# KiCad board poly_kb_molecule_8x5.kicad_pcb (continued)
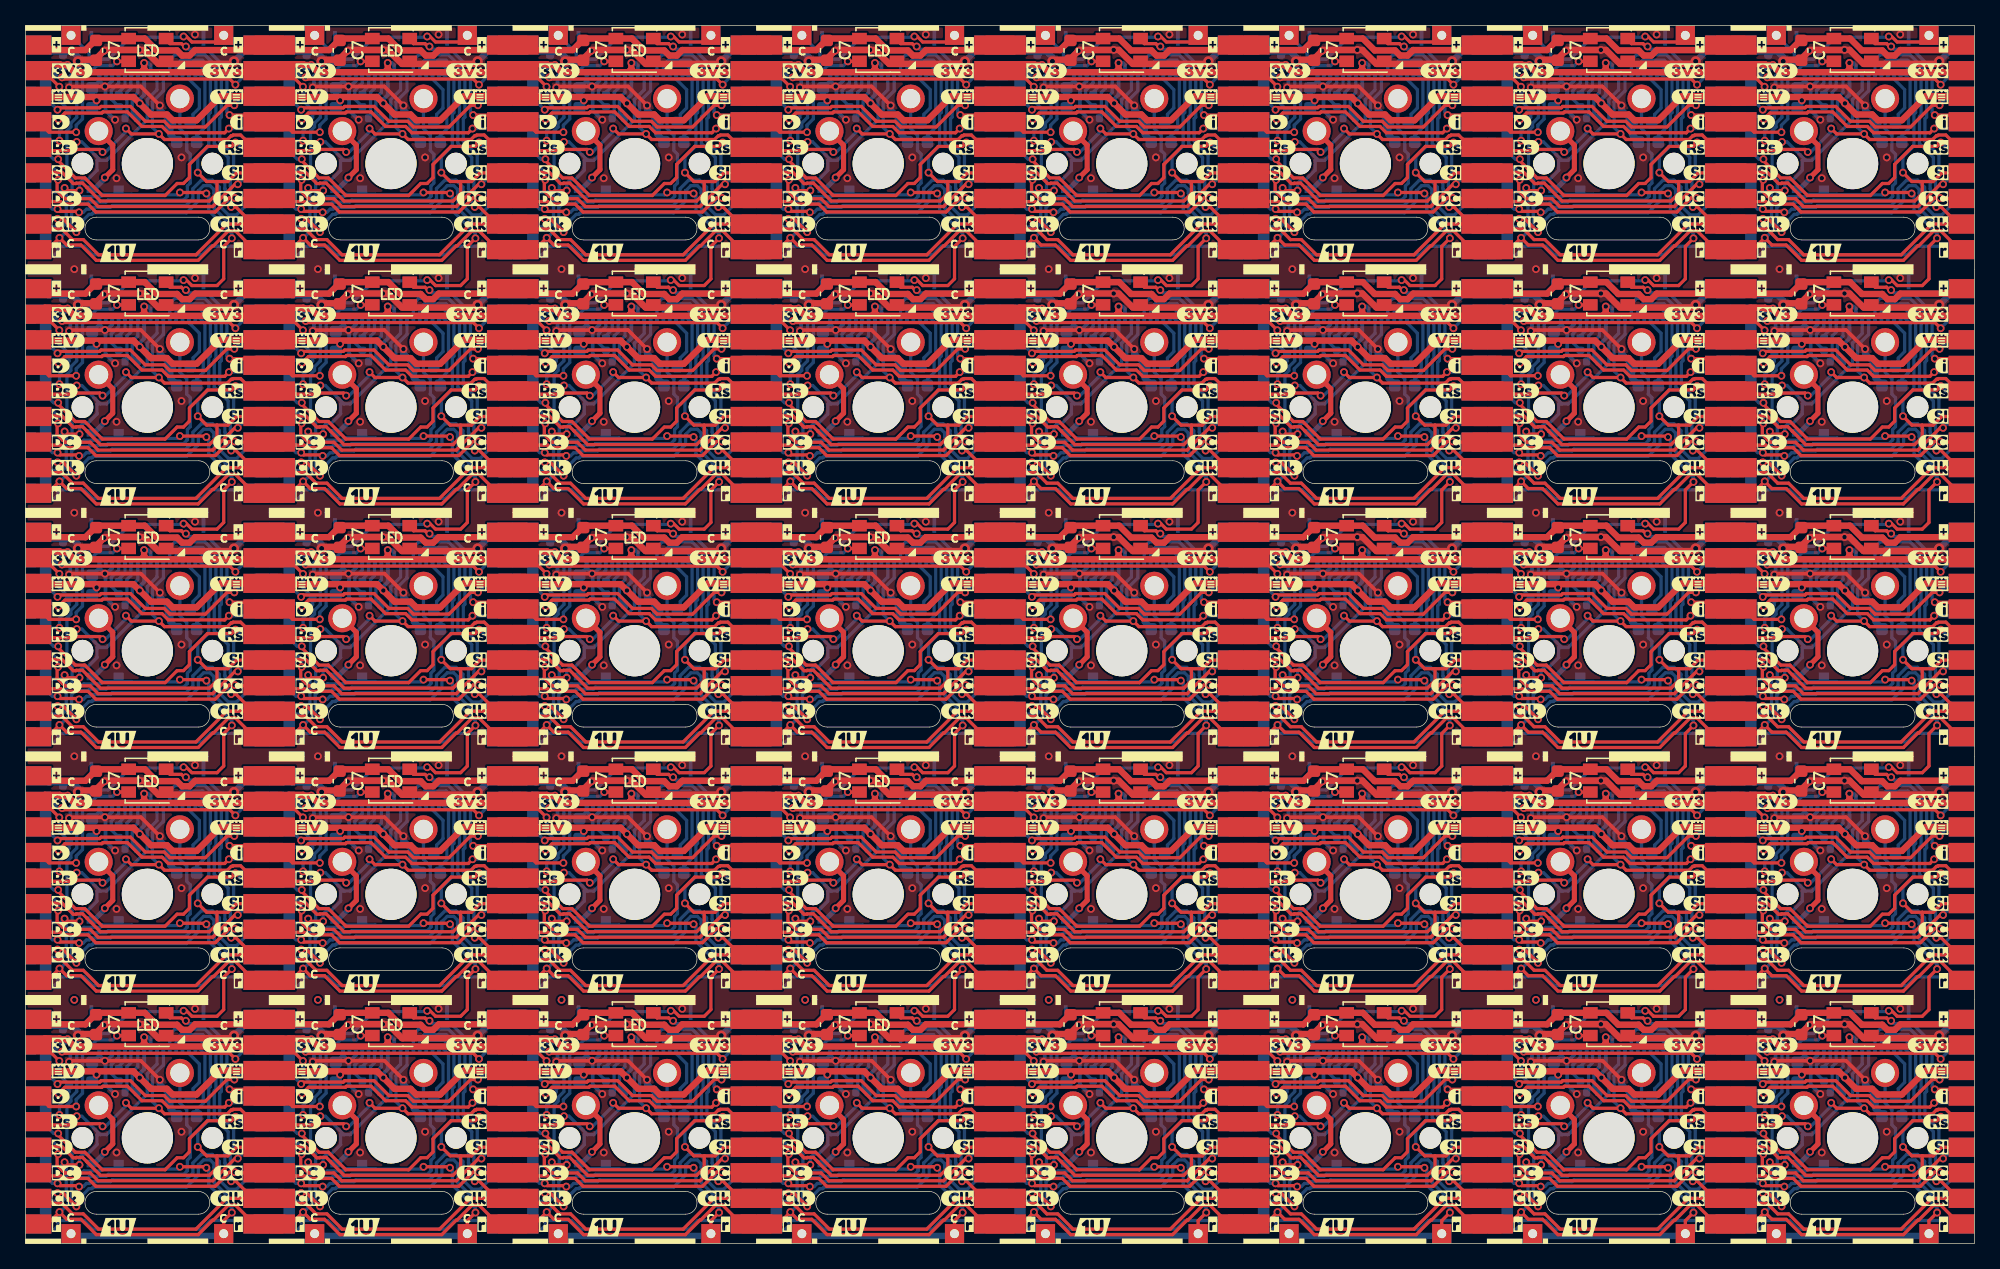
[diagram p0: board, top side]
## Placement (name value [footprint] x y rotation side) (continued)
kibuzzard-61EFBE21#24  G***  [kibuzzard-61EFBE21]  136.22 64.69 0 top
kibuzzard-61EFBE21#25  G***  [kibuzzard-61EFBE21]  79.07 7.54 0 top
kibuzzard-61EFBE21#26  G***  [kibuzzard-61EFBE21]  21.92 64.69 0 top
kibuzzard-61EFBE21#27  G***  [kibuzzard-61EFBE21]  2.87 7.54 0 top
kibuzzard-61EFBE21#28  G***  [kibuzzard-61EFBE21]  60.02 64.69 0 top
kibuzzard-61EFBE21#29  G***  [kibuzzard-61EFBE21]  136.22 7.54 0 top
kibuzzard-61EFBE21#30  G***  [kibuzzard-61EFBE21]  98.12 45.64 0 top
kibuzzard-61EFBE21#31  G***  [kibuzzard-61EFBE21]  2.87 26.59 0 top
kibuzzard-61EFBE21#32  G***  [kibuzzard-61EFBE21]  40.97 7.54 0 top
kibuzzard-61EFBE21#33  G***  [kibuzzard-61EFBE21]  2.87 83.74 0 top
kibuzzard-61EFBE21#34  G***  [kibuzzard-61EFBE21]  98.12 26.59 0 top
kibuzzard-61EFBE21#35  G***  [kibuzzard-61EFBE21]  2.87 64.69 0 top
kibuzzard-61EFBE21#36  G***  [kibuzzard-61EFBE21]  2.87 45.64 0 top
kibuzzard-61EFBE21#37  G***  [kibuzzard-61EFBE21]  136.22 45.64 0 top
kibuzzard-61EFBE21#38  G***  [kibuzzard-61EFBE21]  40.97 83.74 0 top
kibuzzard-61EFBE21#39  G***  [kibuzzard-61EFBE21]  60.02 7.54 0 top
kibuzzard-61EFBE21#40  G***  [kibuzzard-61EFBE21]  117.17 7.54 0 top
kibuzzard-61EFBE87  G***  [kibuzzard-61EFBE87]  80.04 89.69 0 top
kibuzzard-61EFBE87#2  G***  [kibuzzard-61EFBE87]  137.19 89.69 0 top
kibuzzard-61EFBE87#3  G***  [kibuzzard-61EFBE87]  80.04 51.59 0 top
kibuzzard-61EFBE87#4  G***  [kibuzzard-61EFBE87]  60.99 32.54 0 top
kibuzzard-61EFBE87#5  G***  [kibuzzard-61EFBE87]  41.94 70.64 0 top
kibuzzard-61EFBE87#6  G***  [kibuzzard-61EFBE87]  118.14 89.69 0 top
kibuzzard-61EFBE87#7  G***  [kibuzzard-61EFBE87]  99.09 70.64 0 top
kibuzzard-61EFBE87#8  G***  [kibuzzard-61EFBE87]  41.94 32.54 0 top
kibuzzard-61EFBE87#9  G***  [kibuzzard-61EFBE87]  60.99 13.49 0 top
kibuzzard-61EFBE87#10  G***  [kibuzzard-61EFBE87]  41.94 13.49 0 top
kibuzzard-61EFBE87#11  G***  [kibuzzard-61EFBE87]  118.14 51.59 0 top
kibuzzard-61EFBE87#12  G***  [kibuzzard-61EFBE87]  99.09 32.54 0 top
kibuzzard-61EFBE87#13  G***  [kibuzzard-61EFBE87]  99.09 13.49 0 top
kibuzzard-61EFBE87#14  G***  [kibuzzard-61EFBE87]  60.99 89.69 0 top
kibuzzard-61EFBE87#15  G***  [kibuzzard-61EFBE87]  118.14 70.64 0 top
kibuzzard-61EFBE87#16  G***  [kibuzzard-61EFBE87]  3.84 89.69 0 top
kibuzzard-61EFBE87#17  G***  [kibuzzard-61EFBE87]  60.99 70.64 0 top
kibuzzard-61EFBE87#18  G***  [kibuzzard-61EFBE87]  22.89 51.59 0 top
kibuzzard-61EFBE87#19  G***  [kibuzzard-61EFBE87]  99.09 89.69 0 top
kibuzzard-61EFBE87#20  G***  [kibuzzard-61EFBE87]  118.14 32.54 0 top
kibuzzard-61EFBE87#21  G***  [kibuzzard-61EFBE87]  118.14 13.49 0 top
kibuzzard-61EFBE87#22  G***  [kibuzzard-61EFBE87]  99.09 51.59 0 top
kibuzzard-61EFBE87#23  G***  [kibuzzard-61EFBE87]  137.19 13.49 0 top
kibuzzard-61EFBE87#24  G***  [kibuzzard-61EFBE87]  22.89 32.54 0 top
kibuzzard-61EFBE87#25  G***  [kibuzzard-61EFBE87]  22.89 13.49 0 top
kibuzzard-61EFBE87#26  G***  [kibuzzard-61EFBE87]  137.19 32.54 0 top
kibuzzard-61EFBE87#27  G***  [kibuzzard-61EFBE87]  60.99 51.59 0 top
kibuzzard-61EFBE87#28  G***  [kibuzzard-61EFBE87]  80.04 70.64 0 top
kibuzzard-61EFBE87#29  G***  [kibuzzard-61EFBE87]  41.94 89.69 0 top
kibuzzard-61EFBE87#30  G***  [kibuzzard-61EFBE87]  3.84 70.64 0 top
kibuzzard-61EFBE87#31  G***  [kibuzzard-61EFBE87]  41.94 51.59 0 top
kibuzzard-61EFBE87#32  G***  [kibuzzard-61EFBE87]  3.84 32.54 0 top
kibuzzard-61EFBE87#33  G***  [kibuzzard-61EFBE87]  80.04 32.54 0 top
kibuzzard-61EFBE87#34  G***  [kibuzzard-61EFBE87]  137.19 70.64 0 top
kibuzzard-61EFBE87#35  G***  [kibuzzard-61EFBE87]  22.89 89.69 0 top
kibuzzard-61EFBE87#36  G***  [kibuzzard-61EFBE87]  3.84 51.59 0 top
kibuzzard-61EFBE87#37  G***  [kibuzzard-61EFBE87]  3.84 13.49 0 top
kibuzzard-61EFBE87#38  G***  [kibuzzard-61EFBE87]  137.19 51.59 0 top
kibuzzard-61EFBE87#39  G***  [kibuzzard-61EFBE87]  22.89 70.64 0 top
kibuzzard-61EFBE87#40  G***  [kibuzzard-61EFBE87]  80.04 13.49 0 top
kibuzzard-61EFD7F9  G***  [kibuzzard-61EFD7F9]  35.23 7.54 0 top
kibuzzard-61EFD7F9#2  G***  [kibuzzard-61EFD7F9]  92.38 45.64 0 top
kibuzzard-61EFD7F9#3  G***  [kibuzzard-61EFD7F9]  111.43 26.59 0 top
kibuzzard-61EFD7F9#4  G***  [kibuzzard-61EFD7F9]  149.53 26.59 0 top
kibuzzard-61EFD7F9#5  G***  [kibuzzard-61EFD7F9]  92.38 26.59 0 top
kibuzzard-61EFD7F9#6  G***  [kibuzzard-61EFD7F9]  130.48 7.54 0 top
kibuzzard-61EFD7F9#7  G***  [kibuzzard-61EFD7F9]  54.28 26.59 0 top
kibuzzard-61EFD7F9#8  G***  [kibuzzard-61EFD7F9]  54.28 7.54 0 top
kibuzzard-61EFD7F9#9  G***  [kibuzzard-61EFD7F9]  111.43 45.64 0 top
kibuzzard-61EFD7F9#10  G***  [kibuzzard-61EFD7F9]  16.18 26.59 0 top
kibuzzard-61EFD7F9#11  G***  [kibuzzard-61EFD7F9]  92.38 7.54 0 top
kibuzzard-61EFD7F9#12  G***  [kibuzzard-61EFD7F9]  111.43 7.54 0 top
kibuzzard-61EFD7F9#13  G***  [kibuzzard-61EFD7F9]  16.18 64.69 0 top
kibuzzard-61EFD7F9#14  G***  [kibuzzard-61EFD7F9]  130.48 64.69 0 top
kibuzzard-61EFD7F9#15  G***  [kibuzzard-61EFD7F9]  35.23 45.64 0 top
kibuzzard-61EFD7F9#16  G***  [kibuzzard-61EFD7F9]  92.38 64.69 0 top
kibuzzard-61EFD7F9#17  G***  [kibuzzard-61EFD7F9]  54.28 83.74 0 top
kibuzzard-61EFD7F9#18  G***  [kibuzzard-61EFD7F9]  73.33 26.59 0 top
kibuzzard-61EFD7F9#19  G***  [kibuzzard-61EFD7F9]  54.28 64.69 0 top
kibuzzard-61EFD7F9#20  G***  [kibuzzard-61EFD7F9]  111.43 83.74 0 top
kibuzzard-61EFD7F9#21  G***  [kibuzzard-61EFD7F9]  149.53 7.54 0 top
kibuzzard-61EFD7F9#22  G***  [kibuzzard-61EFD7F9]  16.18 83.74 0 top
kibuzzard-61EFD7F9#23  G***  [kibuzzard-61EFD7F9]  73.33 7.54 0 top
kibuzzard-61EFD7F9#24  G***  [kibuzzard-61EFD7F9]  149.53 64.69 0 top
kibuzzard-61EFD7F9#25  G***  [kibuzzard-61EFD7F9]  73.33 45.64 0 top
kibuzzard-61EFD7F9#26  G***  [kibuzzard-61EFD7F9]  35.23 26.59 0 top
kibuzzard-61EFD7F9#27  G***  [kibuzzard-61EFD7F9]  35.23 83.74 0 top
kibuzzard-61EFD7F9#28  G***  [kibuzzard-61EFD7F9]  35.23 64.69 0 top
kibuzzard-61EFD7F9#29  G***  [kibuzzard-61EFD7F9]  130.48 45.64 0 top
kibuzzard-61EFD7F9#30  G***  [kibuzzard-61EFD7F9]  149.53 83.74 0 top
kibuzzard-61EFD7F9#31  G***  [kibuzzard-61EFD7F9]  73.33 83.74 0 top
kibuzzard-61EFD7F9#32  G***  [kibuzzard-61EFD7F9]  16.18 45.64 0 top
kibuzzard-61EFD7F9#33  G***  [kibuzzard-61EFD7F9]  16.18 7.54 0 top
kibuzzard-61EFD7F9#34  G***  [kibuzzard-61EFD7F9]  73.33 64.69 0 top
kibuzzard-61EFD7F9#35  G***  [kibuzzard-61EFD7F9]  130.48 83.74 0 top
kibuzzard-61EFD7F9#36  G***  [kibuzzard-61EFD7F9]  92.38 83.74 0 top
kibuzzard-61EFD7F9#37  G***  [kibuzzard-61EFD7F9]  111.43 64.69 0 top
kibuzzard-61EFD7F9#38  G***  [kibuzzard-61EFD7F9]  149.53 45.64 0 top
kibuzzard-61EFD7F9#39  G***  [kibuzzard-61EFD7F9]  54.28 45.64 0 top
kibuzzard-61EFD7F9#40  G***  [kibuzzard-61EFD7F9]  130.48 26.59 0 top
kibuzzard-61EFD863  G***  [kibuzzard-61EFD863]  110.67 91.72 0 top
kibuzzard-61EFD863#2  G***  [kibuzzard-61EFD863]  91.62 34.57 0 top
kibuzzard-61EFD863#3  G***  [kibuzzard-61EFD863]  91.62 53.62 0 top
kibuzzard-61EFD863#4  G***  [kibuzzard-61EFD863]  110.67 72.67 0 top
kibuzzard-61EFD863#5  G***  [kibuzzard-61EFD863]  72.57 91.72 0 top
kibuzzard-61EFD863#6  G***  [kibuzzard-61EFD863]  91.62 91.72 0 top
kibuzzard-61EFD863#7  G***  [kibuzzard-61EFD863]  91.62 15.52 0 top
kibuzzard-61EFD863#8  G***  [kibuzzard-61EFD863]  148.77 72.67 0 top
kibuzzard-61EFD863#9  G***  [kibuzzard-61EFD863]  34.47 53.62 0 top
kibuzzard-61EFD863#10  G***  [kibuzzard-61EFD863]  53.52 91.72 0 top
kibuzzard-61EFD863#11  G***  [kibuzzard-61EFD863]  129.72 53.62 0 top
kibuzzard-61EFD863#12  G***  [kibuzzard-61EFD863]  34.47 91.72 0 top
kibuzzard-61EFD863#13  G***  [kibuzzard-61EFD863]  110.67 15.52 0 top
kibuzzard-61EFD863#14  G***  [kibuzzard-61EFD863]  148.77 15.52 0 top
kibuzzard-61EFD863#15  G***  [kibuzzard-61EFD863]  53.52 15.52 0 top
kibuzzard-61EFD863#16  G***  [kibuzzard-61EFD863]  15.42 34.57 0 top
kibuzzard-61EFD863#17  G***  [kibuzzard-61EFD863]  129.72 15.52 0 top
kibuzzard-61EFD863#18  G***  [kibuzzard-61EFD863]  15.42 53.62 0 top
kibuzzard-61EFD863#19  G***  [kibuzzard-61EFD863]  15.42 15.52 0 top
kibuzzard-61EFD863#20  G***  [kibuzzard-61EFD863]  148.77 91.72 0 top
kibuzzard-61EFD863#21  G***  [kibuzzard-61EFD863]  129.72 34.57 0 top
kibuzzard-61EFD863#22  G***  [kibuzzard-61EFD863]  34.47 15.52 0 top
kibuzzard-61EFD863#23  G***  [kibuzzard-61EFD863]  34.47 72.67 0 top
kibuzzard-61EFD863#24  G***  [kibuzzard-61EFD863]  129.72 91.72 0 top
kibuzzard-61EFD863#25  G***  [kibuzzard-61EFD863]  34.47 34.57 0 top
kibuzzard-61EFD863#26  G***  [kibuzzard-61EFD863]  15.42 91.72 0 top
kibuzzard-61EFD863#27  G***  [kibuzzard-61EFD863]  110.67 53.62 0 top
kibuzzard-61EFD863#28  G***  [kibuzzard-61EFD863]  148.77 34.57 0 top
kibuzzard-61EFD863#29  G***  [kibuzzard-61EFD863]  53.52 72.67 0 top
kibuzzard-61EFD863#30  G***  [kibuzzard-61EFD863]  15.42 72.67 0 top
kibuzzard-61EFD863#31  G***  [kibuzzard-61EFD863]  72.57 15.52 0 top
kibuzzard-61EFD863#32  G***  [kibuzzard-61EFD863]  72.57 34.57 0 top
kibuzzard-61EFD863#33  G***  [kibuzzard-61EFD863]  53.52 34.57 0 top
kibuzzard-61EFD863#34  G***  [kibuzzard-61EFD863]  148.77 53.62 0 top
kibuzzard-61EFD863#35  G***  [kibuzzard-61EFD863]  72.57 72.67 0 top
kibuzzard-61EFD863#36  G***  [kibuzzard-61EFD863]  129.72 72.67 0 top
kibuzzard-61EFD863#37  G***  [kibuzzard-61EFD863]  53.52 53.62 0 top
kibuzzard-61EFD863#38  G***  [kibuzzard-61EFD863]  110.67 34.57 0 top
kibuzzard-61EFD863#39  G***  [kibuzzard-61EFD863]  72.57 53.62 0 top
kibuzzard-61EFD863#40  G***  [kibuzzard-61EFD863]  91.62 72.67 0 top
kibuzzard-61EFD879  G***  [kibuzzard-61EFD879]  79.84 53.61 0 top
kibuzzard-61EFD879#2  G***  [kibuzzard-61EFD879]  136.99 72.66 0 top
kibuzzard-61EFD879#3  G***  [kibuzzard-61EFD879]  98.89 72.66 0 top
kibuzzard-61EFD879#4  G***  [kibuzzard-61EFD879]  3.64 15.51 0 top
kibuzzard-61EFD879#5  G***  [kibuzzard-61EFD879]  3.64 34.56 0 top
kibuzzard-61EFD879#6  G***  [kibuzzard-61EFD879]  22.69 53.61 0 top
kibuzzard-61EFD879#7  G***  [kibuzzard-61EFD879]  3.64 53.61 0 top
kibuzzard-61EFD879#8  G***  [kibuzzard-61EFD879]  117.94 34.56 0 top
kibuzzard-61EFD879#9  G***  [kibuzzard-61EFD879]  60.79 72.66 0 top
kibuzzard-61EFD879#10  G***  [kibuzzard-61EFD879]  79.84 72.66 0 top
kibuzzard-61EFD879#11  G***  [kibuzzard-61EFD879]  3.64 72.66 0 top
kibuzzard-61EFD879#12  G***  [kibuzzard-61EFD879]  79.84 15.51 0 top
kibuzzard-61EFD879#13  G***  [kibuzzard-61EFD879]  136.99 15.51 0 top
kibuzzard-61EFD879#14  G***  [kibuzzard-61EFD879]  41.74 15.51 0 top
kibuzzard-61EFD879#15  G***  [kibuzzard-61EFD879]  117.94 72.66 0 top
kibuzzard-61EFD879#16  G***  [kibuzzard-61EFD879]  41.74 72.66 0 top
kibuzzard-61EFD879#17  G***  [kibuzzard-61EFD879]  22.69 72.66 0 top
kibuzzard-61EFD879#18  G***  [kibuzzard-61EFD879]  22.69 34.56 0 top
kibuzzard-61EFD879#19  G***  [kibuzzard-61EFD879]  79.84 34.56 0 top
kibuzzard-61EFD879#20  G***  [kibuzzard-61EFD879]  117.94 53.61 0 top
kibuzzard-61EFD879#21  G***  [kibuzzard-61EFD879]  60.79 15.51 0 top
kibuzzard-61EFD879#22  G***  [kibuzzard-61EFD879]  79.84 91.71 0 top
kibuzzard-61EFD879#23  G***  [kibuzzard-61EFD879]  117.94 91.71 0 top
kibuzzard-61EFD879#24  G***  [kibuzzard-61EFD879]  60.79 91.71 0 top
kibuzzard-61EFD879#25  G***  [kibuzzard-61EFD879]  98.89 53.61 0 top
kibuzzard-61EFD879#26  G***  [kibuzzard-61EFD879]  22.69 91.71 0 top
kibuzzard-61EFD879#27  G***  [kibuzzard-61EFD879]  60.79 34.56 0 top
kibuzzard-61EFD879#28  G***  [kibuzzard-61EFD879]  136.99 34.56 0 top
kibuzzard-61EFD879#29  G***  [kibuzzard-61EFD879]  98.89 34.56 0 top
kibuzzard-61EFD879#30  G***  [kibuzzard-61EFD879]  41.74 34.56 0 top
kibuzzard-61EFD879#31  G***  [kibuzzard-61EFD879]  117.94 15.51 0 top
kibuzzard-61EFD879#32  G***  [kibuzzard-61EFD879]  60.79 53.61 0 top
kibuzzard-61EFD879#33  G***  [kibuzzard-61EFD879]  41.74 91.71 0 top
kibuzzard-61EFD879#34  G***  [kibuzzard-61EFD879]  3.64 91.71 0 top
kibuzzard-61EFD879#35  G***  [kibuzzard-61EFD879]  136.99 53.61 0 top
kibuzzard-61EFD879#36  G***  [kibuzzard-61EFD879]  41.74 53.61 0 top
kibuzzard-61EFD879#37  G***  [kibuzzard-61EFD879]  22.69 15.51 0 top
kibuzzard-61EFD879#38  G***  [kibuzzard-61EFD879]  98.89 91.71 0 top
kibuzzard-61EFD879#39  G***  [kibuzzard-61EFD879]  136.99 91.71 0 top
kibuzzard-61EFD879#40  G***  [kibuzzard-61EFD879]  98.89 15.51 0 top
kibuzzard-61EFD908  G***  [kibuzzard-61EFD908]  2.41 77.7 0 top
kibuzzard-61EFD908#2  G***  [kibuzzard-61EFD908]  35.69 20.55 0 top
kibuzzard-61EFD908#3  G***  [kibuzzard-61EFD908]  111.89 58.65 0 top
kibuzzard-61EFD908#4  G***  [kibuzzard-61EFD908]  135.76 20.55 0 top
kibuzzard-61EFD908#5  G***  [kibuzzard-61EFD908]  73.79 58.65 0 top
kibuzzard-61EFD908#6  G***  [kibuzzard-61EFD908]  97.66 1.5 0 top
kibuzzard-61EFD908#7  G***  [kibuzzard-61EFD908]  130.94 1.5 0 top
kibuzzard-61EFD908#8  G***  [kibuzzard-61EFD908]  35.69 77.7 0 top
kibuzzard-61EFD908#9  G***  [kibuzzard-61EFD908]  92.84 39.6 0 top
kibuzzard-61EFD908#10  G***  [kibuzzard-61EFD908]  135.76 58.65 0 top
kibuzzard-61EFD908#11  G***  [kibuzzard-61EFD908]  116.71 1.5 0 top
kibuzzard-61EFD908#12  G***  [kibuzzard-61EFD908]  35.69 39.6 0 top
kibuzzard-61EFD908#13  G***  [kibuzzard-61EFD908]  130.94 77.7 0 top
kibuzzard-61EFD908#14  G***  [kibuzzard-61EFD908]  54.74 20.55 0 top
kibuzzard-61EFD908#15  G***  [kibuzzard-61EFD908]  116.71 58.65 0 top
kibuzzard-61EFD908#16  G***  [kibuzzard-61EFD908]  149.99 77.7 0 top
kibuzzard-61EFD908#17  G***  [kibuzzard-61EFD908]  40.51 77.7 0 top
kibuzzard-61EFD908#18  G***  [kibuzzard-61EFD908]  116.71 20.55 0 top
kibuzzard-61EFD908#19  G***  [kibuzzard-61EFD908]  111.89 39.6 0 top
kibuzzard-61EFD908#20  G***  [kibuzzard-61EFD908]  54.74 39.6 0 top
kibuzzard-61EFD908#21  G***  [kibuzzard-61EFD908]  149.99 39.6 0 top
kibuzzard-61EFD908#22  G***  [kibuzzard-61EFD908]  73.79 77.7 0 top
kibuzzard-61EFD908#23  G***  [kibuzzard-61EFD908]  130.94 58.65 0 top
kibuzzard-61EFD908#24  G***  [kibuzzard-61EFD908]  35.69 1.5 0 top
kibuzzard-61EFD908#25  G***  [kibuzzard-61EFD908]  40.51 39.6 0 top
kibuzzard-61EFD908#26  G***  [kibuzzard-61EFD908]  59.56 58.65 0 top
kibuzzard-61EFD908#27  G***  [kibuzzard-61EFD908]  40.51 20.55 0 top
kibuzzard-61EFD908#28  G***  [kibuzzard-61EFD908]  78.61 39.6 0 top
kibuzzard-61EFD908#29  G***  [kibuzzard-61EFD908]  73.79 20.55 0 top
kibuzzard-61EFD908#30  G***  [kibuzzard-61EFD908]  135.76 77.7 0 top
kibuzzard-61EFD908#31  G***  [kibuzzard-61EFD908]  73.79 1.5 0 top
kibuzzard-61EFD908#32  G***  [kibuzzard-61EFD908]  111.89 77.7 0 top
kibuzzard-61EFD908#33  G***  [kibuzzard-61EFD908]  21.46 1.5 0 top
kibuzzard-61EFD908#34  G***  [kibuzzard-61EFD908]  16.64 58.65 0 top
kibuzzard-61EFD908#35  G***  [kibuzzard-61EFD908]  16.64 1.5 0 top
kibuzzard-61EFD908#36  G***  [kibuzzard-61EFD908]  149.99 1.5 0 top
kibuzzard-61EFD908#37  G***  [kibuzzard-61EFD908]  116.71 77.7 0 top
kibuzzard-61EFD908#38  G***  [kibuzzard-61EFD908]  78.61 58.65 0 top
kibuzzard-61EFD908#39  G***  [kibuzzard-61EFD908]  149.99 58.65 0 top
kibuzzard-61EFD908#40  G***  [kibuzzard-61EFD908]  116.71 39.6 0 top
kibuzzard-61EFD908#41  G***  [kibuzzard-61EFD908]  40.51 58.65 0 top
kibuzzard-61EFD908#42  G***  [kibuzzard-61EFD908]  78.61 1.5 0 top
kibuzzard-61EFD908#43  G***  [kibuzzard-61EFD908]  92.84 58.65 0 top
kibuzzard-61EFD908#44  G***  [kibuzzard-61EFD908]  78.61 77.7 0 top
kibuzzard-61EFD908#45  G***  [kibuzzard-61EFD908]  2.41 20.55 0 top
kibuzzard-61EFD908#46  G***  [kibuzzard-61EFD908]  2.41 39.6 0 top
kibuzzard-61EFD908#47  G***  [kibuzzard-61EFD908]  92.84 77.7 0 top
kibuzzard-61EFD908#48  G***  [kibuzzard-61EFD908]  78.61 20.55 0 top
kibuzzard-61EFD908#49  G***  [kibuzzard-61EFD908]  149.99 20.55 0 top
kibuzzard-61EFD908#50  G***  [kibuzzard-61EFD908]  59.56 1.5 0 top
kibuzzard-61EFD908#51  G***  [kibuzzard-61EFD908]  111.89 20.55 0 top
kibuzzard-61EFD908#52  G***  [kibuzzard-61EFD908]  54.74 58.65 0 top
kibuzzard-61EFD908#53  G***  [kibuzzard-61EFD908]  21.46 39.6 0 top
kibuzzard-61EFD908#54  G***  [kibuzzard-61EFD908]  135.76 1.5 0 top
kibuzzard-61EFD908#55  G***  [kibuzzard-61EFD908]  130.94 20.55 0 top
kibuzzard-61EFD908#56  G***  [kibuzzard-61EFD908]  21.46 58.65 0 top
kibuzzard-61EFD908#57  G***  [kibuzzard-61EFD908]  16.64 20.55 0 top
kibuzzard-61EFD908#58  G***  [kibuzzard-61EFD908]  16.64 77.7 0 top
kibuzzard-61EFD908#59  G***  [kibuzzard-61EFD908]  40.51 1.5 0 top
kibuzzard-61EFD908#60  G***  [kibuzzard-61EFD908]  92.84 20.55 0 top
kibuzzard-61EFD908#61  G***  [kibuzzard-61EFD908]  21.46 20.55 0 top
kibuzzard-61EFD908#62  G***  [kibuzzard-61EFD908]  2.41 58.65 0 top
kibuzzard-61EFD908#63  G***  [kibuzzard-61EFD908]  97.66 20.55 0 top
kibuzzard-61EFD908#64  G***  [kibuzzard-61EFD908]  59.56 39.6 0 top
kibuzzard-61EFD908#65  G***  [kibuzzard-61EFD908]  16.64 39.6 0 top
kibuzzard-61EFD908#66  G***  [kibuzzard-61EFD908]  21.46 77.7 0 top
kibuzzard-61EFD908#67  G***  [kibuzzard-61EFD908]  111.89 1.5 0 top
kibuzzard-61EFD908#68  G***  [kibuzzard-61EFD908]  54.74 1.5 0 top
kibuzzard-61EFD908#69  G***  [kibuzzard-61EFD908]  54.74 77.7 0 top
kibuzzard-61EFD908#70  G***  [kibuzzard-61EFD908]  35.69 58.65 0 top
kibuzzard-61EFD908#71  G***  [kibuzzard-61EFD908]  135.76 39.6 0 top
kibuzzard-61EFD908#72  G***  [kibuzzard-61EFD908]  97.66 77.7 0 top
kibuzzard-61EFD908#73  G***  [kibuzzard-61EFD908]  59.56 77.7 0 top
kibuzzard-61EFD908#74  G***  [kibuzzard-61EFD908]  73.79 39.6 0 top
kibuzzard-61EFD908#75  G***  [kibuzzard-61EFD908]  2.41 1.5 0 top
kibuzzard-61EFD908#76  G***  [kibuzzard-61EFD908]  92.84 1.5 0 top
kibuzzard-61EFD908#77  G***  [kibuzzard-61EFD908]  130.94 39.6 0 top
kibuzzard-61EFD908#78  G***  [kibuzzard-61EFD908]  97.66 58.65 0 top
kibuzzard-61EFD908#79  G***  [kibuzzard-61EFD908]  59.56 20.55 0 top
kibuzzard-61EFD908#80  G***  [kibuzzard-61EFD908]  97.66 39.6 0 top
kibuzzard-61EFD947  G***  [kibuzzard-61EFD947]  35.69 36.6 0 top
kibuzzard-61EFD947#2  G***  [kibuzzard-61EFD947]  97.66 36.6 0 top
kibuzzard-61EFD947#3  G***  [kibuzzard-61EFD947]  116.71 17.55 0 top
kibuzzard-61EFD947#4  G***  [kibuzzard-61EFD947]  111.89 74.7 0 top
kibuzzard-61EFD947#5  G***  [kibuzzard-61EFD947]  16.64 36.6 0 top
kibuzzard-61EFD947#6  G***  [kibuzzard-61EFD947]  40.51 17.55 0 top
kibuzzard-61EFD947#7  G***  [kibuzzard-61EFD947]  130.94 17.55 0 top
kibuzzard-61EFD947#8  G***  [kibuzzard-61EFD947]  78.61 36.6 0 top
kibuzzard-61EFD947#9  G***  [kibuzzard-61EFD947]  78.61 74.7 0 top
kibuzzard-61EFD947#10  G***  [kibuzzard-61EFD947]  111.89 55.65 0 top
kibuzzard-61EFD947#11  G***  [kibuzzard-61EFD947]  40.51 36.6 0 top
kibuzzard-61EFD947#12  G***  [kibuzzard-61EFD947]  59.56 93.75 0 top
kibuzzard-61EFD947#13  G***  [kibuzzard-61EFD947]  135.76 17.55 0 top
kibuzzard-61EFD947#14  G***  [kibuzzard-61EFD947]  54.74 17.55 0 top
kibuzzard-61EFD947#15  G***  [kibuzzard-61EFD947]  35.69 55.65 0 top
kibuzzard-61EFD947#16  G***  [kibuzzard-61EFD947]  78.61 17.55 0 top
kibuzzard-61EFD947#17  G***  [kibuzzard-61EFD947]  40.51 93.75 0 top
kibuzzard-61EFD947#18  G***  [kibuzzard-61EFD947]  149.99 36.6 0 top
kibuzzard-61EFD947#19  G***  [kibuzzard-61EFD947]  78.61 93.75 0 top
kibuzzard-61EFD947#20  G***  [kibuzzard-61EFD947]  59.56 55.65 0 top
kibuzzard-61EFD947#21  G***  [kibuzzard-61EFD947]  116.71 93.75 0 top
kibuzzard-61EFD947#22  G***  [kibuzzard-61EFD947]  40.51 74.7 0 top
kibuzzard-61EFD947#23  G***  [kibuzzard-61EFD947]  97.66 93.75 0 top
kibuzzard-61EFD947#24  G***  [kibuzzard-61EFD947]  2.41 36.6 0 top
kibuzzard-61EFD947#25  G***  [kibuzzard-61EFD947]  21.46 17.55 0 top
kibuzzard-61EFD947#26  G***  [kibuzzard-61EFD947]  16.64 55.65 0 top
kibuzzard-61EFD947#27  G***  [kibuzzard-61EFD947]  73.79 17.55 0 top
kibuzzard-61EFD947#28  G***  [kibuzzard-61EFD947]  21.46 36.6 0 top
kibuzzard-61EFD947#29  G***  [kibuzzard-61EFD947]  16.64 74.7 0 top
kibuzzard-61EFD947#30  G***  [kibuzzard-61EFD947]  78.61 55.65 0 top
kibuzzard-61EFD947#31  G***  [kibuzzard-61EFD947]  135.76 55.65 0 top
kibuzzard-61EFD947#32  G***  [kibuzzard-61EFD947]  35.69 93.75 0 top
kibuzzard-61EFD947#33  G***  [kibuzzard-61EFD947]  130.94 55.65 0 top
kibuzzard-61EFD947#34  G***  [kibuzzard-61EFD947]  59.56 17.55 0 top
kibuzzard-61EFD947#35  G***  [kibuzzard-61EFD947]  16.64 93.75 0 top
kibuzzard-61EFD947#36  G***  [kibuzzard-61EFD947]  97.66 74.7 0 top
kibuzzard-61EFD947#37  G***  [kibuzzard-61EFD947]  73.79 36.6 0 top
kibuzzard-61EFD947#38  G***  [kibuzzard-61EFD947]  130.94 93.75 0 top
kibuzzard-61EFD947#39  G***  [kibuzzard-61EFD947]  40.51 55.65 0 top
kibuzzard-61EFD947#40  G***  [kibuzzard-61EFD947]  21.46 74.7 0 top
kibuzzard-61EFD947#41  G***  [kibuzzard-61EFD947]  92.84 74.7 0 top
kibuzzard-61EFD947#42  G***  [kibuzzard-61EFD947]  111.89 93.75 0 top
kibuzzard-61EFD947#43  G***  [kibuzzard-61EFD947]  16.64 17.55 0 top
kibuzzard-61EFD947#44  G***  [kibuzzard-61EFD947]  35.69 74.7 0 top
kibuzzard-61EFD947#45  G***  [kibuzzard-61EFD947]  59.56 74.7 0 top
kibuzzard-61EFD947#46  G***  [kibuzzard-61EFD947]  92.84 93.75 0 top
kibuzzard-61EFD947#47  G***  [kibuzzard-61EFD947]  149.99 55.65 0 top
kibuzzard-61EFD947#48  G***  [kibuzzard-61EFD947]  21.46 55.65 0 top
kibuzzard-61EFD947#49  G***  [kibuzzard-61EFD947]  116.71 36.6 0 top
kibuzzard-61EFD947#50  G***  [kibuzzard-61EFD947]  73.79 74.7 0 top
kibuzzard-61EFD947#51  G***  [kibuzzard-61EFD947]  111.89 36.6 0 top
kibuzzard-61EFD947#52  G***  [kibuzzard-61EFD947]  116.71 74.7 0 top
kibuzzard-61EFD947#53  G***  [kibuzzard-61EFD947]  2.41 17.55 0 top
kibuzzard-61EFD947#54  G***  [kibuzzard-61EFD947]  2.41 55.65 0 top
kibuzzard-61EFD947#55  G***  [kibuzzard-61EFD947]  54.74 74.7 0 top
kibuzzard-61EFD947#56  G***  [kibuzzard-61EFD947]  130.94 36.6 0 top
kibuzzard-61EFD947#57  G***  [kibuzzard-61EFD947]  149.99 74.7 0 top
kibuzzard-61EFD947#58  G***  [kibuzzard-61EFD947]  135.76 36.6 0 top
kibuzzard-61EFD947#59  G***  [kibuzzard-61EFD947]  135.76 74.7 0 top
kibuzzard-61EFD947#60  G***  [kibuzzard-61EFD947]  59.56 36.6 0 top
kibuzzard-61EFD947#61  G***  [kibuzzard-61EFD947]  54.74 55.65 0 top
kibuzzard-61EFD947#62  G***  [kibuzzard-61EFD947]  35.69 17.55 0 top
kibuzzard-61EFD947#63  G***  [kibuzzard-61EFD947]  97.66 55.65 0 top
kibuzzard-61EFD947#64  G***  [kibuzzard-61EFD947]  111.89 17.55 0 top
kibuzzard-61EFD947#65  G***  [kibuzzard-61EFD947]  54.74 36.6 0 top
kibuzzard-61EFD947#66  G***  [kibuzzard-61EFD947]  97.66 17.55 0 top
kibuzzard-61EFD947#67  G***  [kibuzzard-61EFD947]  2.41 93.75 0 top
kibuzzard-61EFD947#68  G***  [kibuzzard-61EFD947]  116.71 55.65 0 top
kibuzzard-61EFD947#69  G***  [kibuzzard-61EFD947]  149.99 93.75 0 top
kibuzzard-61EFD947#70  G***  [kibuzzard-61EFD947]  92.84 36.6 0 top
kibuzzard-61EFD947#71  G***  [kibuzzard-61EFD947]  149.99 17.55 0 top
kibuzzard-61EFD947#72  G***  [kibuzzard-61EFD947]  73.79 55.65 0 top
kibuzzard-61EFD947#73  G***  [kibuzzard-61EFD947]  92.84 55.65 0 top
kibuzzard-61EFD947#74  G***  [kibuzzard-61EFD947]  54.74 93.75 0 top
kibuzzard-61EFD947#75  G***  [kibuzzard-61EFD947]  2.41 74.7 0 top
kibuzzard-61EFD947#76  G***  [kibuzzard-61EFD947]  73.79 93.75 0 top
kibuzzard-61EFD947#77  G***  [kibuzzard-61EFD947]  92.84 17.55 0 top
kibuzzard-61EFD947#78  G***  [kibuzzard-61EFD947]  21.46 93.75 0 top
kibuzzard-61EFD947#79  G***  [kibuzzard-61EFD947]  135.76 93.75 0 top
kibuzzard-61EFD947#80  G***  [kibuzzard-61EFD947]  130.94 74.7 0 top
kibuzzard-61EFDAA0  G***  [kibuzzard-61EFDAA0]  136.12 11.51 0 top
kibuzzard-61EFDAA0#2  G***  [kibuzzard-61EFDAA0]  21.82 30.56 0 top
kibuzzard-61EFDAA0#3  G***  [kibuzzard-61EFDAA0]  117.07 11.51 0 top
kibuzzard-61EFDAA0#4  G***  [kibuzzard-61EFDAA0]  136.12 68.66 0 top
kibuzzard-61EFDAA0#5  G***  [kibuzzard-61EFDAA0]  98.02 49.61 0 top
kibuzzard-61EFDAA0#6  G***  [kibuzzard-61EFDAA0]  40.87 68.66 0 top
kibuzzard-61EFDAA0#7  G***  [kibuzzard-61EFDAA0]  21.82 11.51 0 top
kibuzzard-61EFDAA0#8  G***  [kibuzzard-61EFDAA0]  98.02 11.51 0 top
kibuzzard-61EFDAA0#9  G***  [kibuzzard-61EFDAA0]  59.92 11.51 0 top
kibuzzard-61EFDAA0#10  G***  [kibuzzard-61EFDAA0]  2.77 11.51 0 top
kibuzzard-61EFDAA0#11  G***  [kibuzzard-61EFDAA0]  40.87 30.56 0 top
kibuzzard-61EFDAA0#12  G***  [kibuzzard-61EFDAA0]  98.02 87.71 0 top
kibuzzard-61EFDAA0#13  G***  [kibuzzard-61EFDAA0]  78.97 87.71 0 top
kibuzzard-61EFDAA0#14  G***  [kibuzzard-61EFDAA0]  117.07 30.56 0 top
kibuzzard-61EFDAA0#15  G***  [kibuzzard-61EFDAA0]  136.12 30.56 0 top
kibuzzard-61EFDAA0#16  G***  [kibuzzard-61EFDAA0]  59.92 49.61 0 top
kibuzzard-61EFDAA0#17  G***  [kibuzzard-61EFDAA0]  40.87 87.71 0 top
kibuzzard-61EFDAA0#18  G***  [kibuzzard-61EFDAA0]  98.02 30.56 0 top
kibuzzard-61EFDAA0#19  G***  [kibuzzard-61EFDAA0]  117.07 68.66 0 top
kibuzzard-61EFDAA0#20  G***  [kibuzzard-61EFDAA0]  40.87 49.61 0 top
kibuzzard-61EFDAA0#21  G***  [kibuzzard-61EFDAA0]  78.97 11.51 0 top
kibuzzard-61EFDAA0#22  G***  [kibuzzard-61EFDAA0]  136.12 87.71 0 top
kibuzzard-61EFDAA0#23  G***  [kibuzzard-61EFDAA0]  2.77 87.71 0 top
kibuzzard-61EFDAA0#24  G***  [kibuzzard-61EFDAA0]  21.82 68.66 0 top
kibuzzard-61EFDAA0#25  G***  [kibuzzard-61EFDAA0]  78.97 49.61 0 top